# Altium PCB RemoteCtrl-V2.PcbDoc (part 3 of 4)
Units mil, origin at the board's own origin, x right, y up, seen from the top; angles counter-clockwise.
Board outline 3937.01 x 3700.79 mil, 2 copper layers (Top Layer, Bottom Layer); 118 components, 110 nets, 611 pads, 205 vias.
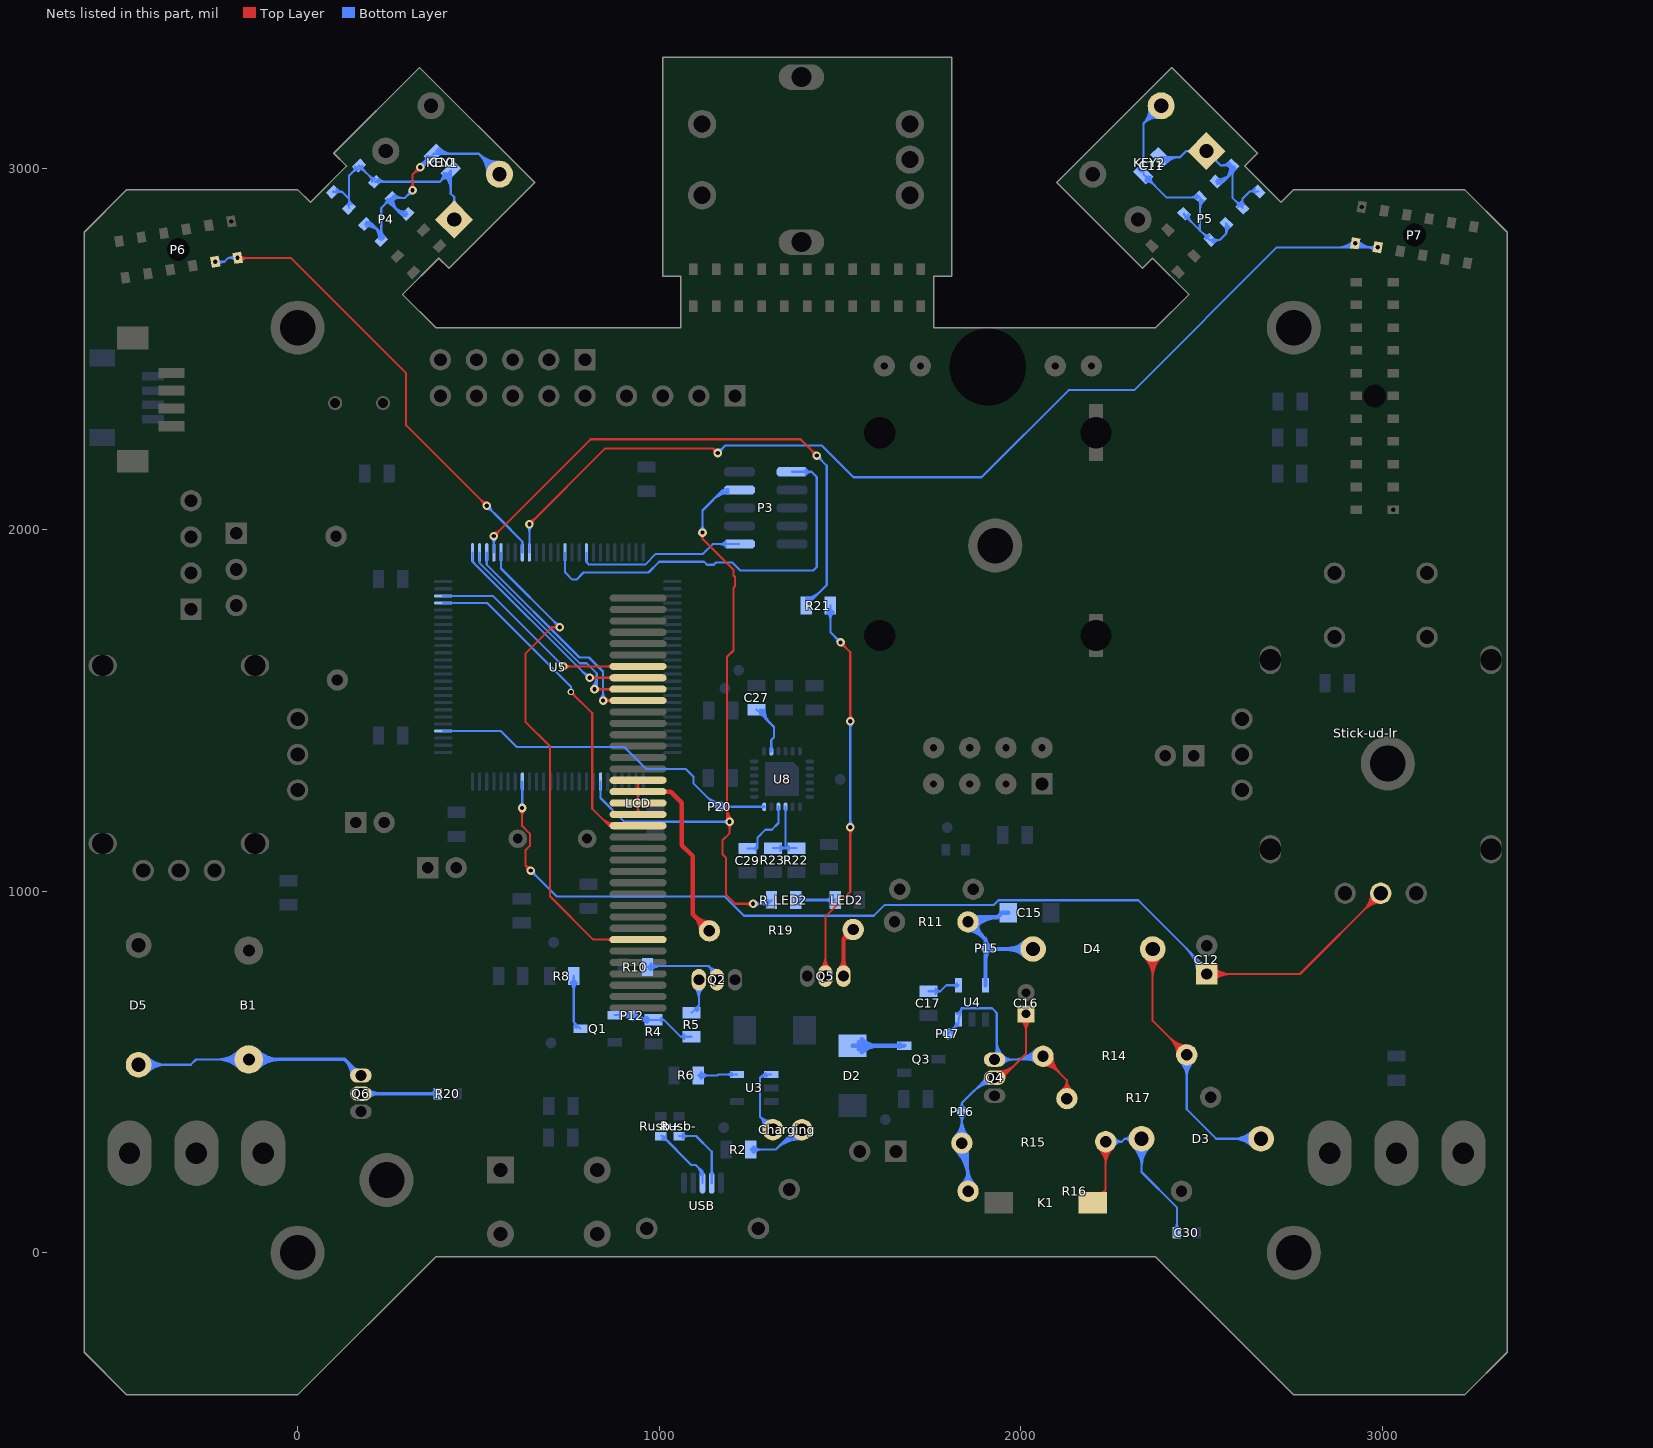
[diagram p3: the nets of this part, all layers, seen from the top]

## Via types
v1: diameter 23.62, hole 11.81, Top Layer to Bottom Layer, 200 vias
v2: diameter 17.72, hole 11.81, Top Layer to Bottom Layer, 3 vias
v3: diameter 17, hole 17, Top Layer to Bottom Layer, tented both sides, 2 vias

## Nets (pads, with @x,y where several pads share a name; then routed paths per layer and width w, separated by ;. In a path a pad name is that pad's centre, name@x,y a point inside that pad or via, vN(x,y) a via of type N, cw(c..) or ccw(c..) an arc to the next point about the centre after c; other vN are vias at no path point) (continued)
KEY1: P6.2 P6.4 U5.58 | length 1589.5
  Top Layer w6: v1(-166.03,2751.94) -18.7,2751.94 300.2,2433.05 300.2,2288.86 v1(523.06,2066) ; P6.2@-163.35,2746.08 cw(c-149.19,2731.92) -149.19,2751.94 ; P6.2@-159.79,2745.71 cw(c-144.75,2730.67) -144.75,2751.94 cw(c-144.75,2773.21) P6.2@-159.79,2758.17 ; P6.2@-159.11,2741.84 cw(c-134.71,2717.43) -134.71,2751.94 ; P6.2@-159.11,2754.3 ccw(c-153.43,2759.98) -153.43,2751.94 ; v1@514.24,2066 ccw(c492.97,2066) 508.01,2081.04 ccw(c523.06,2096.08) v1@523.06,2074.81
  Bottom Layer w6: v1(-228.06,2741.01) -202.8,2741.01 ; P6.4@-225.08,2735.5 cw(c-214.42,2727.93) -214.42,2741.01 ; P6.4@-221.83,2734.77 cw(c-206.79,2719.73) -206.79,2741.01 cw(c-206.79,2762.28) P6.4@-221.83,2747.24 ; P6.4@-221.15,2743.36 ccw(c-215.47,2749.04) -215.47,2741.01 ; P6.4@-220.19,2732.03 cw(c-202.8,2719.68) -202.8,2741.01 ; -179.97,2751.94 ccw(c-179.97,2765.62) P6.2@-168.97,2757.49 ; -178.62,2751.94 cw(c-178.62,2743.91) P6.2@-172.94,2749.59 ; P6.2@-173.79,2761.06 cw(c-191.86,2774.41) -191.86,2751.94 ; P6.2@-172.26,2745.71 ccw(c-187.3,2730.67) -187.3,2751.94 ccw(c-187.3,2773.21) P6.2@-172.26,2758.17 ; v1(-166.03,2751.94) -191.87,2751.94 ; v1@523.06,2057.19 cw(c523.06,2035.92) 538.1,2050.96 cw(c553.14,2066) v1@531.87,2066 ; v1(523.06,2066) 561.2,2027.86 621.57,1967.48 U5.58@621.57,1936.94 ; -202.8,2741.01 -191.87,2751.94
KEY2: P7.2 P7.4 U5.59 | length 3534.4
  Top Layer w6: v1(641.26,2015.11) 851.01,2224.86 1149.38,2224.86 ; v1@641.26,2023.92 ccw(c641.26,2045.19) 656.3,2030.15 ccw(c671.34,2015.11) v1@650.07,2015.11 ; v1@1153.45,2213.1 ccw(c1139.33,2214.8) 1149.39,2224.86 ; v1@1161.14,2220.79 cw(c1159.44,2234.92) 1149.39,2224.86 ; v1(1162.2,2212.05) 1149.38,2224.86
  Bottom Layer w6: v1@635.03,2008.88 cw(c619.99,1993.84) 641.26,1993.84 cw(c662.53,1993.84) v1@647.49,2008.88 ; U5.59@641.26,1936.94 v1(641.26,2015.11) ; v1(1162.2,2212.05) 1183.15,2233 1450,2233 1538,2145 1892,2145 2133,2386 2314,2386 2709.01,2781.01 v1(2988.06,2781) ; v1@1162.2,2220.86 ccw(c1162.2,2242.13) 1177.24,2227.09 ccw(c1192.28,2212.05) v1@1171.01,2212.05 ; 2878.35,2781.01 ccw(c2878.35,2839.62) P7.2@2919.79,2798.17 ; 2887.02,2781.01 ccw(c2887.02,2826.38) P7.2@2919.11,2794.3 ; 2892.83,2781.01 ccw(c2892.83,2825.13) P7.2@2924.04,2793.93 ; 2901.51,2781.01 ccw(c2901.51,2811.9) P7.2@2923.35,2790.05 ; 2901.52,2784.14 cw(c2911.72,2766.46) P7.2@2921.71,2784.26 ; 2907.32,2781.01 ccw(c2907.32,2810.65) P7.2@2928.28,2789.69 ; 2910.64,2789.41 cw(c2917.72,2777.15) P7.2@2924.65,2789.49 ; P7.2@2917.34,2793.43 cw(c2901.13,2796.21) 2909.36,2781.97 cw(c2918.16,2766.73) P7.2@2923.4,2783.53 ; P7.2@2927.87,2789.82 cw(c2936.49,2779.91) 2943.54,2790.99 ; P7.2@2929.79,2783.98 cw(c2937.46,2767.75) 2946.44,2783.29 ; P7.2@2931.81,2785.29 cw(c2941.99,2773.59) 2950.32,2786.68 ; P7.2@2934.54,2794.22 ccw(c2946.13,2797.33) 2940.13,2786.94 ; 2956.74,2781.01 cw(c2956.74,2746.49) P7.4@2981.15,2770.9 ; 2971.23,2781.01 cw(c2971.23,2760.98) P7.4@2985.39,2775.14 ; 2975.47,2781.01 ccw(c2975.47,2789.04) P7.4@2981.15,2783.36 ; P7.4@2981.83,2774.77 ccw(c2966.79,2759.73) 2966.79,2781.01 ccw(c2966.79,2802.27) P7.4@2981.83,2787.23 ; P7.2@2923.77,2789.69 ccw(c2944.73,2810.65) 2944.73,2781.01 cw(c2944.73,2810.65) P7.2@2923.77,2789.69 ; P7.2@2928.01,2793.93 ccw(c2959.22,2825.13) 2959.22,2781.01 cw(c2959.22,2825.13) P7.2@2928.01,2793.93 ; P7.2@2932.26,2798.17 ccw(c2973.7,2839.62) 2973.7,2781.01 cw(c2973.7,2839.62) P7.2@2932.26,2798.17
  other v1: 2926.02,2791.94
LCD_C\S\: LCD.7 U5.48 | length 712.3
  Top Layer w6: v1(734.69,1621.69) LCD.7@941.77,1621.69 ; v1@740.92,1615.46 cw(c755.96,1600.42) 755.96,1621.69 cw(c755.96,1642.96) v1@740.92,1627.92 ; LCD.7@868.03,1616.85 ccw(c856.35,1605.17) 856.35,1621.69 ccw(c856.35,1638.21) LCD.7@868.03,1626.53
  Bottom Layer w6: U5.48@403.06,1816.85 539.54,1816.85 v1(734.69,1621.69) ; v1@725.88,1621.69 ccw(c704.61,1621.69) 719.65,1636.73 ccw(c734.69,1651.78) v1@734.69,1630.5
LCD_FMARK: LCD.21 U5.47 | length 1068.1
  Top Layer w6: v2@756,1545.14 cw(c756,1531) 766,1541 cw(c776,1551) v2@761.86,1551 ; v2(756,1551) 815,1492 815,1227.94 862.2,1180.75 ; 842.97,1199.98 ccw(c872.87,1229.88) LCD.21@872.87,1187.59 ; 853.21,1189.73 ccw(c872.87,1209.4) LCD.21@872.87,1181.59 ; LCD.21@866.66,1177.89 ccw(c862.2,1175.84) 862.2,1180.75 ; LCD.21@866.66,1183.61 cw(c862.2,1185.65) 862.2,1180.75 ; LCD.21@941.77,1180.75 862.2,1180.75
  Bottom Layer w6: U5.47@403.06,1797.16 524.71,1797.17 716,1605.87 756,1565.87 v2(756,1551) ; v2@751.86,1555.14 ccw(c741.86,1565.14) 756,1565.14 ccw(c770.14,1565.14) v2@760.14,1555.14
LCD_LIGHT: R21.1 U5.54 | length 1732.8
  Top Layer w6: v1(542.83,1982.17) 810.67,2250 1391,2250 v1(1436,2205) ; v1@542.83,1990.98 ccw(c542.83,2012.25) 557.88,1997.21 ccw(c572.92,1982.17) v1@551.65,1982.17 ; v1@1427.19,2205 ccw(c1405.92,2205) 1420.96,2220.04 ccw(c1436,2235.08) v1@1436,2213.81
  Bottom Layer w6: v1@536.6,1975.93 cw(c521.56,1960.89) 542.83,1960.89 cw(c564.11,1960.89) v1@549.07,1975.93 ; U5.54@542.83,1936.94 v1(542.83,1982.17) ; R21.1@1407,1790 1464,1847 1464,2177 v1(1436,2205) ; R21.1@1407,1800 ccw(c1407,1824.14) 1424.07,1807.07 ; R21.1@1407,1806 ccw(c1407,1844.63) 1434.31,1817.31 ; R21.1@1407,1812 ccw(c1407,1865.11) 1444.56,1827.56 ; R21.1@1419.75,1799.25 cw(c1428.19,1799.25) R21.1@1422.22,1805.22 ; v1@1444.81,2205 ccw(c1466.08,2205) 1451.04,2189.96
LCD_R\D\: LCD.10 U5.53 | length 831.2
  Top Layer w6: v1(845,1527.21) LCD.10@941.77,1527.21 ; v1@851.23,1520.97 cw(c866.27,1505.93) 866.27,1527.21 cw(c866.27,1548.48) v1@851.23,1533.44 ; v1@852.63,1522.8 cw(c862.36,1517.18) 859.45,1528.04 ; v1@852.63,1531.61 ccw(c862.36,1537.23) 859.45,1526.37 ; v1@852.87,1523.25 cw(c858.16,1520.59) 859.7,1526.31 ; v1@852.87,1531.16 ccw(c858.16,1533.82) 859.7,1528.1 ; LCD.10@868.03,1522.37 ccw(c856.35,1510.69) 856.35,1527.21 ccw(c856.35,1543.72) LCD.10@868.03,1532.04
  Bottom Layer w6: U5.53@523.15,1936.94 523.15,1903.35 780,1646.5 ; 745,1681.5 780,1646.5 ; v1@838.77,1533.44 ccw(c823.73,1548.48) 845,1548.48 ccw(c866.27,1548.48) v1@851.23,1533.44 ; v1(845,1527.21) 845,1607.61 806.1,1646.5 780,1646.5
LCD_R\S\T\: LCD.31 U5.55 | length 1485.1
  Top Layer w6: v1@718.77,1723.77 ccw(c703.73,1708.73) 703.73,1730 ccw(c703.73,1751.27) v1@718.77,1736.23 ; v1(725,1730) 703,1730 630,1657 630,1468.65 698,1400.65 698,985.79 818,865.79 LCD.31@941.77,865.79 ; LCD.31@868.03,860.95 ccw(c856.35,849.27) 856.35,865.79 ccw(c856.35,882.31) LCD.31@868.03,870.63
  Bottom Layer w6: U5.55@562.52,1936.94 562.52,1892.48 v1(725,1730) ; v1@716.19,1730 ccw(c694.92,1730) 709.96,1745.04 ccw(c725,1760.08) v1@725,1738.81
LCD_RS: LCD.8 U5.51 | length 719.5
  Top Layer w6: v1(807.8,1590.2) LCD.8@941.77,1590.2 ; v1@814.03,1583.97 cw(c829.07,1568.93) 829.07,1590.2 cw(c829.07,1611.47) v1@814.03,1596.43 ; LCD.8@868.03,1585.36 ccw(c856.35,1573.68) 856.35,1590.2 ccw(c856.35,1606.72) LCD.8@868.03,1595.04
  Bottom Layer w6: U5.51@483.78,1936.94 483.78,1911.61 805.19,1590.2 v1(807.8,1590.2) ; U5.51@485.11,1915.68 ccw(c498.14,1915.68) 488.93,1906.47 ; 788.31,1607.08 ccw(c807.8,1626.58) v1@807.8,1599.01 ; 794.61,1600.79 cw(c784.02,1590.2) v1@798.99,1590.2
LCD_W\R\: LCD.9 U5.52 | length 762
  Top Layer w6: v1(821.3,1558.7) LCD.9@941.77,1558.7 ; v1@827.53,1552.47 cw(c842.57,1537.43) 842.57,1558.7 cw(c842.57,1579.97) v1@827.53,1564.93 ; LCD.9@868.03,1553.86 ccw(c856.35,1542.18) 856.35,1558.7 ccw(c856.35,1575.22) LCD.9@868.03,1563.54
  Bottom Layer w6: U5.52@503.46,1936.94 503.46,1907.48 780.44,1630.5 799.5,1630.5 827.61,1602.39 827.61,1565.02 v1(821.3,1558.7) ; v1@815.07,1564.93 ccw(c784.78,1595.22) 827.61,1595.22 ; v1@819.31,1560.69 ccw(c799.27,1580.73) 827.61,1580.73
LED2: P3.4 R_LED2.2 U5.7 | length 2192.9
  Top Layer w6: v1@1114.92,1984.8 cw(c1108.01,1975) 1120,1975 ; v1(1120,1992) 1120,1975 ; v1@1125.08,1984.8 ccw(c1131.99,1975) 1120,1975 ; 1188,1215.69 ccw(c1218.69,1215.69) v1@1196.99,1193.99 ; 1188,1230.17 ccw(c1233.17,1230.17) v1@1201.23,1198.23 ; v1@1188.77,1185.77 cw(c1173.73,1170.73) 1195,1170.73 cw(c1216.27,1170.73) v1@1201.23,1185.77 ; v1@1253.77,958.77 ccw(c1238.73,943.73) 1238.73,965 ccw(c1238.73,986.27) v1@1253.77,971.23 ; v1(1260,965) 1210,965 1185,990 1185,1091.98 1175.19,1101.79 1175.19,1140.73 1195,1160.54 v1(1195,1192) 1188,1199 1188,1648 1205.81,1665.81 1205.81,1839.24 1210.03,1843.46 1210.03,1868.98 1205.81,1873.2 1205.81,1889.19 1120,1975
  Bottom Layer w6: U5.7@838.11,1303.06 838.11,1257.65 903.76,1192 v1(1195,1192) ; v1@1113.77,1998.23 ccw(c1098.73,2013.27) 1120,2013.27 ccw(c1141.27,2013.27) v1@1126.23,1998.23 ; v1(1120,1992) 1120,2053 1177,2110 ; 1149.92,2082.92 cw(c1191.65,2041.18) P3.4@1191.65,2100.2 ; 1160.16,2093.16 cw(c1191.65,2061.67) P3.4@1191.65,2106.2 ; 1170.4,2103.4 cw(c1191.65,2082.15) P3.4@1191.65,2112.2 ; v1@1188.77,1185.77 ccw(c1173.73,1170.73) 1173.73,1192 ccw(c1173.73,1213.27) v1@1188.77,1198.23 ; v1(1260,965) 1301.07,965 R_LED2.2@1311.07,975 ; v1@1266.23,958.77 cw(c1281.27,943.73) 1281.27,965 cw(c1281.27,986.27) v1@1266.23,971.23 ; 1278.49,965 ccw(c1278.49,998.33) R_LED2.2@1302.06,974.76 ; 1282.1,965 cw(c1282.1,936.77) R_LED2.2@1302.06,956.73 ; 1292.98,965 ccw(c1292.98,983.84) R_LED2.2@1306.3,970.52
LR_ADC: C12.A Stick-ud-lr.2 U5.18 | length 3755.1
  Top Layer w6: v1@614.77,1223.77 cw(c599.73,1208.73) 621,1208.73 cw(c642.27,1208.73) v1@627.23,1223.77 ; v1(621,1230) 621,1180.44 642.53,1158.91 642.53,1125.54 630.19,1113.21 630.19,1071.81 ; v1@636.19,1057.1 ccw(c615.7,1057.32) 630.19,1071.81 ; v1@644.9,1065.81 cw(c644.68,1086.3) 630.19,1071.81 ; v1(645,1057) 630.19,1071.81 ; C12.A@2515,770.63 2772.79,770.63 Stick-ud-lr.2@2996.21,994.05 ; C12.A@2525.27,760.36 cw(c2550.07,735.56) 2550.07,770.63 cw(c2550.07,805.7) C12.A@2525.27,780.9 ; C12.A@2529.52,756.11 cw(c2564.56,721.07) 2564.56,770.63 cw(c2564.56,820.19) C12.A@2529.52,785.14 ; C12.A@2533.76,751.87 cw(c2579.04,706.59) 2579.04,770.63 cw(c2579.04,834.67) C12.A@2533.76,789.39 ; Stick-ud-lr.2@2969.69,994.05 cw(c2905.64,994.05) 2950.93,948.77 cw(c2996.21,903.48) Stick-ud-lr.2@2996.21,967.53 ; Stick-ud-lr.2@2975.69,994.05 cw(c2926.13,994.05) 2961.17,959.01 cw(c2996.21,923.97) Stick-ud-lr.2@2996.21,973.53 ; Stick-ud-lr.2@2981.69,994.05 cw(c2946.61,994.05) 2971.41,969.25 cw(c2996.21,944.45) Stick-ud-lr.2@2996.21,979.53
  Bottom Layer w6: v1@614.77,1236.23 ccw(c598.34,1252.66) 621.57,1252.66 ; v1(621,1230) 621.57,1230.57 U5.18@621.57,1303.06 ; 621.57,1249.88 ccw(c640.88,1249.88) v1@627.23,1236.23 ; v1@645,1048.19 cw(c645,1026.92) 660.04,1041.96 cw(c675.08,1057) v1@653.81,1057 ; v1(645,1057) 717,985 1182,985 1235,932 1594,932 1624,962 1926.43,962 1939.01,974.57 2325.43,974.57 C12.A@2515,785 ; 2459.55,840.45 cw(c2389.74,770.63) C12.A@2488.47,770.63 ; 2469.8,830.2 cw(c2410.22,770.63) C12.A@2494.47,770.63 ; 2480.04,819.96 cw(c2430.71,770.63) C12.A@2500.47,770.63 ; 2490.28,809.72 cw(c2451.19,770.63) C12.A@2506.47,770.63 ; 2494.25,805.75 ccw(c2515,826.51) C12.A@2515,797.16 ; C12.A@2500.52,799.48 cw(c2471.68,770.63) C12.A@2512.47,770.63
MPU_IRQ: P20.1 U5.29 U8.12 | length 1145.1
  Bottom Layer w6: U5.29@403.06,1442.84 562.35,1442.84 606.62,1398.56 903.89,1398.56 964.45,1338 1074.02,1338 1094.81,1317.21 1094.81,1298.21 1159.79,1233.23 U8.12@1290.79,1233.23 ; 1132.18,1260.84 ccw(c1168,1296.66) P20.1@1168,1246 ; 1142.42,1250.59 ccw(c1168,1276.17) P20.1@1168,1240 ; 1152.66,1240.35 ccw(c1168,1255.69) P20.1@1168,1234 ; 1153.87,1239.15 cw(c1148.72,1234) P20.1@1156,1234 ; P20.1@1172.24,1238.24 ccw(c1184.35,1250.35) 1184.35,1233.23 ; P20.1@1176.49,1225.51 cw(c1195.11,1206.89) 1195.11,1233.23 ; P20.1@1176.49,1242.49 ccw(c1198.83,1264.83) 1198.83,1233.23 ; U8.12@1289.01,1231.45 ccw(c1284.72,1227.17) 1284.72,1233.23 ccw(c1284.72,1239.29) U8.12@1289.01,1235.01
NetB1_1: B1.1 D5.A Q6.3 | length 1663.5
  Bottom Layer w6: D5.A@-440,519.65 -295.8,519.65 -281.04,534.41 B1.1@-135,534.41 ; D5.A@-425.55,505.2 cw(c-390.67,470.32) -390.67,519.65 cw(c-390.67,568.97) D5.A@-425.55,534.09 ; D5.A@-421.31,500.95 cw(c-376.19,455.83) -376.19,519.65 cw(c-376.19,583.46) D5.A@-421.31,538.34 ; D5.A@-417.07,496.71 cw(c-361.7,441.35) -361.7,519.65 cw(c-361.7,597.95) D5.A@-417.07,542.58 ; B1.1@-160.72,508.69 ccw(c-222.8,446.61) -222.8,534.41 ccw(c-222.81,622.22) B1.1@-160.72,560.13 ; B1.1@-156.47,512.94 ccw(c-208.32,461.09) -208.32,534.41 ccw(c-208.32,607.73) B1.1@-156.47,555.88 ; B1.1@-152.23,517.18 ccw(c-193.83,475.58) -193.83,534.41 ccw(c-193.84,593.25) B1.1@-152.23,551.64 ; B1.1@-147.99,521.42 ccw(c-179.35,490.06) -179.35,534.41 ccw(c-179.35,578.76) B1.1@-147.99,547.4
  Bottom Layer w10: B1.1@-135,534.41 130.59,534.41 Q6.3@175,490 ; B1.1@-117.77,517.18 cw(c-76.17,475.58) -76.17,534.41 cw(c-76.16,593.25) B1.1@-117.77,551.64 ; B1.1@-110.7,510.11 cw(c-52.03,451.44) -52.03,534.41 cw(c-52.02,617.39) B1.1@-110.7,558.71 ; 132.32,532.68 cw(c89.65,490) Q6.3@150,490 ; 149.39,515.61 cw(c123.79,490) Q6.3@160,490 ; 156.47,508.53 ccw(c165,517.07) Q6.3@165,505
NetC10_1: C10.1 KEY1.2 P4.6 P4.8 | length 1907.3
  Top Layer w6: v1@311.77,2945.23 ccw(c296.73,2960.27) 318,2960.27 ccw(c339.27,2960.27) v1@324.23,2945.23 ; v1(318,2939) 318,2981.65 v1(339,3002.65) ; v1@330.19,3002.65 cw(c308.92,3002.65) 323.96,2987.61 cw(c339,2972.57) v1@339,2993.84
  Bottom Layer w6: P4.6@186.73,2845.47 206.2,2845.47 231.27,2820.39 ; P4.6@189.51,2839.44 cw(c189.51,2784.62) 228.28,2823.38 ; P4.6@189.51,2845.44 cw(c189.51,2805.1) 218.04,2833.63 ; P4.6@189.51,2851.44 cw(c189.51,2825.59) 207.79,2843.87 ; 209.19,2842.48 cw(c170.42,2803.71) P4.8@225.25,2803.71 ; 219.43,2832.23 cw(c190.91,2803.71) P4.8@231.25,2803.71 ; P4.8@227.83,2809.94 ccw(c219.51,2818.26) 231.27,2818.26 ; 229.67,2821.99 cw(c211.39,2803.71) P4.8@237.25,2803.71 ; P4.8@231.27,2800.93 231.27,2820.39 ; 231.27,2831.7 ccw(c262.05,2831.7) P4.8@240.29,2809.94 ; P4.6@247.52,2915.07 cw(c226.24,2915.07) 241.29,2900.02 cw(c256.33,2884.99) P4.6@256.33,2906.25 ; P4.6@253.14,2915.07 ccw(c277.39,2915.07) 260.24,2897.92 ; P4.6@259.14,2915.07 ccw(c297.87,2915.07) 270.48,2887.68 ; 263.24,2894.92 ccw(c300.87,2932.55) P4.8@300.87,2879.33 ; P4.6@263.88,2922.62 ccw(c275.4,2934.14) P4.6@275.4,2917.85 ; P4.6@265.14,2915.07 ccw(c318.36,2915.07) 280.73,2877.43 ; P4.6@268.13,2914.4 cw(c276.45,2906.08) 276.45,2917.85 ; P4.6@268.13,2926.86 ccw(c289.89,2948.63) 289.89,2917.85 ; 273.48,2884.68 ccw(c300.87,2912.07) P4.8@300.87,2873.33 ; 283.72,2874.44 ccw(c300.87,2891.58) P4.8@300.87,2867.33 ; P4.8@303.65,2873.31 284.85,2873.31 259.11,2899.05 P4.6@259.11,2917.85 ; v1@309.19,2939 cw(c287.92,2939) 302.96,2923.96 cw(c318,2908.92) v1@318,2930.19 ; v1(318,2939) 296.85,2917.85 P4.6@259.11,2917.85 ; v1@336.72,3011.16 ccw(c328.28,3042.64) C10.1@356.51,3026.34 ; v1@338.27,3005.36 ccw(c333.59,3022.85) 349.27,3013.8 ; v1(339,3002.65) C10.1@376.36,3040.01 501.64,3040.01 ; v1@339,3011.46 ccw(c339,3032.73) 354.04,3017.69 ccw(c369.08,3002.65) v1@347.81,3002.65 ; v1@341.28,3011.16 ccw(c343.86,3020.77) 348.83,3012.15 ; v1@341.72,3001.92 cw(c359.2,2997.23) 350.15,3012.92 ; v1@347.51,3000.37 cw(c378.99,2991.93) C10.1@362.7,3020.16 ; v1@347.51,3004.93 cw(c357.12,3007.5) 348.5,3012.48 ; C10.1@357.07,3033.47 cw(c326.3,3033.47) 348.06,3011.71 cw(c369.82,2989.94) C10.1@369.82,3020.72 ; C10.1@363.07,3033.47 cw(c346.78,3033.47) 358.3,3021.95 cw(c369.82,3010.43) C10.1@369.82,3026.72 ; C10.1@383.43,3047.08 ccw(c400.51,3064.15) 400.51,3040.01 ; C10.1@387.68,3051.32 ccw(c414.99,3078.64) 414.99,3040.01 ; C10.1@391.92,3037.54 cw(c397.89,3031.57) C10.1@397.89,3040.01 ; C10.1@391.92,3055.57 ccw(c429.48,3093.12) 429.48,3040.01 ; KEY1.2@523.99,2984.12 ccw(c447.64,2986) 501.64,3040.01 ; KEY1.2@529.99,2983.97 ccw(c466.95,2985.53) 511.54,3030.11 ccw(c556.12,3074.7) KEY1.2@557.68,3011.66 ; KEY1.2@535.98,2983.82 ccw(c486.27,2985.05) 521.43,3020.22 ccw(c556.6,3055.38) KEY1.2@557.83,3005.67 ; KEY1.2@541.98,2983.68 ccw(c505.58,2984.57) 531.33,3010.32 ccw(c557.08,3036.07) KEY1.2@557.97,2999.67 ; KEY1.2@557.53,3017.66 cw(c555.65,3094.01) 501.64,3040.01 ; KEY1.2@558.38,2983.27 501.64,3040.01 ; 231.27,2820.39 231.27,2890.01 P4.6@259.11,2917.85
NetC10_2: C10.2 KEY1.1 P4.2 P4.4 | length 1170.5
  Bottom Layer w6: P4.2@97.65,2934.55 122.68,2934.55 ; P4.2@106.66,2931.11 cw(c114.98,2922.78) 114.98,2934.55 ; P4.2@107.65,2942.38 ccw(c122.68,2952.89) 122.68,2934.55 ; P4.4@138.74,2899.02 ccw(c130.42,2907.35) 142.19,2907.35 ; P4.4@142.19,2890.01 142.19,2915.05 ; P4.4@150.02,2900.02 cw(c160.53,2915.05) 142.19,2915.05 ; P4.2@158.43,3004.15 cw(c137.16,3004.15) 152.2,2989.11 cw(c167.24,2974.07) P4.2@167.24,2995.34 ; P4.2@170.03,2998.12 cw(c170.03,2976.85) 185.07,2991.89 cw(c200.11,3006.93) P4.2@178.84,3006.93 ; P4.4@205.76,2962.39 ccw(c184.49,2962.39) 199.53,2977.43 ccw(c214.57,2992.48) P4.4@214.57,2971.2 ; P4.4@219.34,2967.16 ccw(c230.86,2978.68) P4.4@230.86,2962.39 ; P4.4@223.58,2958.94 cw(c231.9,2950.62) 231.9,2962.39 ; P4.4@223.58,2971.41 ccw(c245.35,2993.17) 245.35,2962.39 ; C10.2@404.4,2986.14 cw(c373.62,2986.14) 395.38,2964.38 cw(c417.15,2942.62) C10.2@417.15,2973.4 ; C10.2@408.13,2977.13 cw(c370.58,2939.57) 423.69,2939.57 ; C10.2@410.4,2986.14 cw(c394.11,2986.14) 405.63,2974.62 cw(c417.15,2963.1) C10.2@417.15,2979.4 ; C10.2@412.38,2981.37 cw(c385.06,2954.06) 423.69,2954.06 ; KEY1.1@414.88,2887.17 ccw(c394.35,2920.04) 433.1,2920.04 ; C10.2@416.62,2985.61 cw(c399.55,2968.54) 423.69,2968.54 ; KEY1.1@418.06,2882.08 ccw(c401.11,2909.22) 433.1,2909.22 ccw(c465.1,2909.22) KEY1.1@448.15,2882.08 ; KEY1.1@421.24,2876.99 ccw(c407.87,2898.4) 433.1,2898.4 ccw(c458.34,2898.4) KEY1.1@444.97,2876.99 ; C10.2@423.69,2971.16 cw(c432.13,2971.16) C10.2@426.16,2977.13 ; KEY1.1@433.1,2858 433.1,2920.05 ; KEY1.1@451.33,2887.17 cw(c471.86,2920.04) 433.1,2920.04 ; 122.68,2934.55 142.19,2915.05 ; 142.19,2915.05 142.19,2979.1 P4.2@170.03,3006.93 P4.4@214.57,2962.39 393.39,2962.39 C10.2@423.69,2992.69 423.69,2929.46 433.1,2920.05
NetC11_1: C11.1 KEY2.2 P5.6 P5.8 | length 1318.5
  Bottom Layer w6: C11.1@2324.25,2998.47 ccw(c2286.69,3036.02) 2339.8,3036.02 ; C11.1@2328.49,2994.22 ccw(c2301.18,3021.54) 2339.8,3021.54 ; C11.1@2332.73,2989.98 ccw(c2315.66,3007.05) 2339.8,3007.05 ; C11.1@2339.8,3004.43 ccw(c2348.24,3004.43) C11.1@2342.28,2998.47 ; C11.1@2346.35,2963.62 cw(c2346.35,2932.84) 2368.11,2954.6 cw(c2389.87,2976.37) C11.1@2359.09,2976.37 ; C11.1@2346.35,2969.62 cw(c2346.35,2953.33) 2357.87,2964.85 cw(c2369.39,2976.37) C11.1@2353.09,2976.37 ; KEY2.2@2354.8,3167.96 cw(c2302.45,3160.86) 2339.81,3123.5 ; KEY2.2@2360.75,3168.76 cw(c2317.53,3162.9) 2348.37,3132.06 cw(c2379.21,3101.22) KEY2.2@2385.07,3144.44 ; KEY2.2@2366.69,3169.57 cw(c2332.6,3164.95) 2356.93,3140.62 cw(c2381.26,3116.29) KEY2.2@2385.88,3150.38 ; KEY2.2@2384.27,3138.49 ccw(c2377.16,3086.14) 2339.81,3123.5 ; KEY2.2@2388.89,3172.58 2339.8,3123.5 ; P5.8@2452.22,2874.01 2452.22,2872.05 2495.79,2828.49 ; P5.8@2455.01,2862.41 cw(c2455.01,2845.88) 2466.7,2857.57 ; P5.8@2463.82,2871.23 ccw(c2489.83,2871.23) 2471.44,2852.84 ; 2465.99,2918.55 ccw(c2465.99,2949.33) P5.6@2487.75,2927.57 ; 2479.43,2918.55 cw(c2479.43,2906.79) P5.6@2487.75,2915.11 ; P5.6@2480.47,2918.55 ccw(c2480.47,2934.85) P5.6@2491.99,2923.32 ; P5.6@2493.25,2909.61 cw(c2484.91,2901.45) 2496.58,2901.32 ; 2496.43,2887.74 cw(c2527.31,2887.4) P5.6@2505.71,2909.47 ; P5.6@2496.59,2902.22 cw(c2512.98,2902.04) P5.6@2501.52,2913.76 ; 2503.43,2820.84 ccw(c2521.82,2839.23) P5.8@2521.82,2813.22 ; 2508.17,2816.11 cw(c2496.48,2804.41) P5.8@2513.01,2804.41 ; P5.8@2529.57,2797.07 cw(c2539.13,2789.32) P5.8@2539.13,2801.63 ; P5.8@2533.62,2805.08 ccw(c2541.94,2813.4) 2541.94,2801.63 ; P5.8@2534.23,2793.29 cw(c2551.73,2779.1) 2551.73,2801.63 ; P5.6@2565.7,2837.16 cw(c2557.38,2828.84) 2569.15,2828.84 ; 2569.15,2818.89 cw(c2592.01,2818.89) P5.6@2577.52,2836.57 ; P5.6@2569.15,2831.57 cw(c2581.62,2831.57) P5.6@2573.71,2841.21 ; P5.6@2569.15,2846.17 2569.15,2819.05 2551.73,2801.63 ; 2339.8,3123.5 C11.1@2339.8,2982.91 2404.16,2918.55 P5.6@2496.77,2918.55 2495.79,2828.49 ; 2495.79,2828.49 2522.64,2801.63 P5.8@2524.61,2801.63 2551.73,2801.63
NetC11_2: C11.2 KEY2.1 P5.2 P5.4 | length 1108.3
  Bottom Layer w6: C11.2@2387.13,3030.24 2441.2,3030.24 2458.27,3047.31 ; C11.2@2394.2,3023.16 cw(c2411.27,3006.09) 2411.27,3030.24 ; C11.2@2398.44,3018.92 cw(c2425.76,2991.61) 2425.76,3030.24 ; C11.2@2402.69,3014.68 cw(c2440.24,2977.12) 2440.24,3030.24 ; C11.2@2402.69,3032.71 ccw(c2408.66,3038.68) C11.2@2408.66,3030.24 ; KEY2.1@2483.45,3031.81 ccw(c2458.27,3019.1) 2458.27,3047.31 ; KEY2.1@2483.45,3062.81 cw(c2458.27,3075.51) 2458.27,3047.31 ; KEY2.1@2488.81,3034.51 ccw(c2468.02,3024.02) 2468.02,3047.31 ccw(c2468.02,3070.59) KEY2.1@2488.81,3060.1 ; P5.4@2541.31,2963.09 2561.9,2963.1 ; P5.4@2544.09,2957.12 ccw(c2544.09,2985.69) 2564.29,2965.49 ; P5.4@2544.09,2963.12 ccw(c2544.09,3006.17) 2574.53,2975.73 ; P5.4@2544.09,2969.12 ccw(c2544.09,3026.66) 2584.78,2985.97 ; P5.4@2550.32,2966.54 ccw(c2558.64,2974.86) 2558.64,2963.1 ; P5.4@2552.15,2956.75 cw(c2561.9,2952.44) 2561.9,2963.1 ; 2555.08,3007.64 ccw(c2555.08,3038.41) P5.2@2576.84,3016.65 ; 2562.97,2964.17 ccw(c2522.29,3004.85) P5.2@2579.82,3004.85 ; 2568.51,3007.64 cw(c2568.51,2995.87) P5.2@2576.84,3004.19 ; P5.2@2569.56,3007.64 ccw(c2569.56,3023.93) P5.2@2581.08,3012.41 ; 2573.21,2974.41 ccw(c2542.77,3004.85) P5.2@2585.82,3004.85 ; P5.2@2582.4,2998.62 cw(c2574.08,2990.3) 2585.85,2990.3 ; 2583.46,2984.65 ccw(c2563.26,3004.85) P5.2@2591.82,3004.85 ; 2585.85,2976.86 cw(c2616.63,2976.86) P5.2@2594.86,2998.62 ; P5.4@2602.09,2893.5 ccw(c2580.82,2893.5) 2595.86,2908.54 ccw(c2610.91,2923.58) P5.4@2610.91,2902.31 ; P5.4@2606.05,2900.85 ccw(c2596.68,2915.05) 2613.69,2915.05 ; 2613.69,2908.05 ccw(c2625.46,2908.05) P5.4@2617.14,2899.73 ; 2640.9,2935.26 cw(c2640.9,2923.49) P5.2@2649.22,2931.81 ; P5.2@2648.09,2942.89 cw(c2633.9,2952.27) 2633.9,2935.26 ; P5.2@2658.23,2935.26 2633.9,2935.26 ; 2458.27,3047.31 KEY2.1@2514.16,3047.31 2553.83,3007.64 P5.2@2585.85,3007.64 2585.85,2987.05 ; 2561.9,2963.1 2585.85,2987.05 ; 2585.85,2987.05 2585.85,2918.55 P5.4@2613.69,2890.71 2613.69,2915.05 ; 2613.69,2915.05 2633.9,2935.26 ; 2585.85,2986.83 cw(c2596.84,2986.83) 2592.29,2996.83 ccw(c2596.84,2986.83) 2585.85,2986.83
NetC15_A: C15.A D4.A P15.1 R11.1 U4.5 | length 952.2
  Bottom Layer w12: R11.1@1854.14,915.31 cw(c1882.55,889.83) 1882.55,928 ; R11.1@1854.49,891.47 cw(c1854.49,834.67) 1894.65,874.84 cw(c1934.82,915) R11.1@1878.02,915 ; R11.1@1863.07,907.3 cw(c1909.44,865.71) 1909.44,928 ; R11.1@1872,899.29 cw(c1936.32,841.6) 1936.32,928 ; U4.5@1903,739.49 P15.1@1903,840 ; 1903,813.03 cw(c1934.97,813.03) 1912.36,835.64 cw(c1922.9,825.1) 1922.9,840 ; P15.1@1911.51,849.11 cw(c1924.98,866.49) 1903,866.49 ; P15.1@1912.36,848.36 ccw(c1932.56,868.56) 1932.56,840 ; C15.A@1965.94,940 1948.32,940 1936.32,928 1867.49,928 R11.1@1854.49,915 1903,866.49 ; D4.A@2013.83,819.19 ccw(c1963.59,768.94) 1963.59,840 ccw(c1963.59,911.06) D4.A@2013.83,860.81 ; D4.A@2022.32,827.67 ccw(c1992.56,797.91) 1992.56,840 ccw(c1992.56,882.09) D4.A@2022.32,852.33 ; D4.A@2034.64,840 P15.1@1903,840 ; P15.1@1903,840 1903,866.49
NetC16_A: C16.A P16.1 Q4.2 R15.1 R16.2 | length 1960.7
  Top Layer w6: Q4.2@1928.23,484.1 1949.1,484.1 2015,550 C16.A@2015,660.47 ; Q4.2@1938.23,489.1 ccw(c1938.23,527.4) 1965.31,500.31 ; Q4.2@1938.23,495.1 ccw(c1938.23,547.89) 1975.56,510.56 ; Q4.2@1938.23,501.1 ccw(c1938.23,568.37) 1985.8,520.8 ; Q4.2@1955.23,484.1 cw(c1970.04,484.1) 1959.57,494.57 ; C16.A@2000.42,645.89 cw(c1965.21,610.68) 2015,610.68 cw(c2064.78,610.69) C16.A@2029.58,645.89 ; C16.A@2004.66,650.13 cw(c1979.7,625.17) 2015,625.17 ; 2015,625.17 cw(c2050.3,625.17) C16.A@2025.34,650.13
  Bottom Layer w6: R15.1@1818.92,284.24 cw(c1732.48,197.79) R16.2@1854.72,197.79 ; R15.1@1818.92,321.75 ccw(c1773.63,367.04) 1837.68,367.04 ccw(c1901.72,367.04) R15.1@1856.43,321.75 ; R15.1@1823.16,288.48 cw(c1746.96,212.28) 1854.72,212.28 ; R15.1@1823.16,317.51 ccw(c1788.12,352.55) 1837.68,352.55 ccw(c1887.23,352.55) R15.1@1852.19,317.51 ; R15.1@1827.4,292.72 cw(c1761.45,226.76) 1854.72,226.76 ; R15.1@1827.4,313.27 ccw(c1802.6,338.07) 1837.68,338.07 ccw(c1872.75,338.07) R15.1@1847.95,313.27 ; P16.1@1829.51,381.51 cw(c1809.81,361.81) 1837.68,361.81 ; P16.1@1830.7,399.52 ccw(c1819.84,413.68) 1837.68,413.68 ; R15.1@1831.65,296.96 cw(c1775.93,241.25) 1854.72,241.25 ; R15.1@1835.89,301.21 cw(c1790.42,255.73) 1854.72,255.73 ; R16.2@1835.97,188.76 ccw(c1790.68,234.04) 1854.72,234.04 ccw(c1918.77,234.04) R16.2@1873.48,188.76 ; 1837.68,360.25 cw(c1867.75,360.25) P16.1@1846.49,381.51 ; 1837.68,374.73 cw(c1853.27,374.73) P16.1@1842.24,385.76 ; R15.1@1840.13,305.45 cw(c1804.9,270.22) 1854.72,270.22 ; R16.2@1840.21,184.52 ccw(c1805.17,219.56) 1854.72,219.56 ccw(c1904.28,219.56) R16.2@1869.24,184.52 ; R16.2@1844.45,180.27 ccw(c1819.65,205.07) 1854.72,205.07 ; P16.1@1844.88,399.83 cw(c1854.58,413.68) 1837.68,413.68 ; R16.2@1854.72,170 1854.72,285.95 R15.1@1837.68,302.99 1837.68,413.68 ; 1854.72,205.07 ccw(c1889.8,205.07) R16.2@1865,180.27 ; 1871.91,447.91 cw(c1918.23,401.59) Q4.2@1918.23,467.1 ; 1882.15,458.15 cw(c1918.23,422.07) Q4.2@1918.23,473.1 ; 1892.39,468.39 cw(c1918.23,442.56) Q4.2@1918.23,479.1 ; 1896.37,472.37 ccw(c1884.65,484.1) Q4.2@1901.23,484.1 ; Q4.2@1928.23,484.1 1908.1,484.1 1837.68,413.68
NetC17_1: C17.1 U4.4 | length 147.5
  Bottom Layer w6: C17.1@1745,723 1778.2,723 ; C17.1@1764.83,715.88 cw(c1778.2,706.89) 1778.2,723 ; C17.1@1764.83,730.12 ccw(c1778.2,739.11) 1778.2,723 ; U4.4@1823.36,734.65 ccw(c1811.68,722.97) 1811.68,739.49 ccw(c1811.68,756.01) U4.4@1823.36,744.33 ; U4.4@1828.2,739.49 1794.69,739.49 1778.2,723
NetC27_1: C27.1 U8.20 | length 245.2
  Bottom Layer w6: C27.1@1270,1502 1317.81,1454.19 1317.81,1425.55 1310.47,1418.21 U8.20@1310.47,1386.77 ; C27.1@1279.25,1489.25 cw(c1279.25,1480.81) C27.1@1285.22,1486.78 ; C27.1@1280,1502 ccw(c1304.14,1502) 1287.07,1484.93 ; C27.1@1286,1502 ccw(c1324.63,1502) 1297.31,1474.69 ; C27.1@1292,1502 ccw(c1345.11,1502) 1307.56,1464.44 ; U8.20@1308.7,1394.85 ccw(c1304.41,1399.13) 1310.47,1399.13 ccw(c1316.54,1399.13) U8.20@1312.25,1394.85
NetC29_1: C29.1 U8.10 | length 201.7
  Bottom Layer w6: C29.1@1245,1118 1272.2,1118 ; C29.1@1266.29,1113.8 cw(c1272.2,1111.75) 1272.2,1118 ; C29.1@1266.29,1122.19 ccw(c1272.2,1124.25) 1272.2,1118 ; U8.10@1328.38,1225.15 cw(c1324.09,1220.87) 1330.16,1220.87 cw(c1336.22,1220.87) U8.10@1331.93,1225.15 ; U8.10@1330.16,1233.23 1330.16,1188.4 1311.55,1169.79 1293.94,1169.79 1272.2,1148.05 1272.2,1118
NetC30_2: C30.2 D3.A K1.1 R15.2 | length 1409.9
  Top Layer w6: K1.1@2199.96,137.64 2235.31,172.99 ; K1.1@2211.28,158.55 ccw(c2213.02,177.22) K1.1@2226.28,163.96 ; K1.1@2211.84,164.52 ccw(c2214.56,193.74) 2235.31,172.99 ; R15.2@2216.56,288.17 cw(c2171.27,242.89) 2235.31,242.89 cw(c2299.36,242.89) R15.2@2254.07,288.17 ; R15.2@2220.8,292.41 cw(c2185.76,257.37) 2235.31,257.37 cw(c2284.87,257.37) R15.2@2249.83,292.41 ; R15.2@2225.04,296.66 cw(c2200.24,271.86) 2235.31,271.86 cw(c2270.39,271.86) R15.2@2245.59,296.66 ; K1.1@2227.41,148.32 cw(c2241.01,156.35) K1.1@2229.84,167.52 ; K1.1@2232.58,151.37 cw(c2247.89,160.42) 2235.31,172.99 ; R15.2@2235.31,306.93 2235.31,172.99
  Bottom Layer w6: R15.2@2235.31,306.93 2280.2,306.93 ; R15.2@2253.3,297.03 cw(c2270.04,287.81) 2270.04,306.93 cw(c2270.04,326.04) R15.2@2253.3,316.83 ; R15.2@2258.55,294.14 cw(c2280.2,282.23) 2280.2,306.93 ; R15.2@2258.55,319.72 ccw(c2280.2,331.63) 2280.2,306.93 ; D3.A@2304.18,303.87 ccw(c2288.27,298.06) 2288.27,315 ; D3.A@2304.18,326.13 cw(c2288.27,331.94) 2288.27,315 ; D3.A@2309.82,305.93 ccw(c2296.85,301.19) 2296.85,315 ccw(c2296.85,328.81) D3.A@2309.82,324.07 ; D3.A@2311.71,292.07 cw(c2256.34,236.7) 2334.64,236.7 cw(c2412.94,236.7) D3.A@2357.58,292.07 ; D3.A@2315.95,296.31 cw(c2270.83,251.18) 2334.64,251.18 cw(c2398.46,251.18) D3.A@2353.34,296.31 ; D3.A@2320.2,300.55 cw(c2285.32,265.67) 2334.64,265.67 cw(c2383.97,265.67) D3.A@2349.09,300.55 ; C30.2@2426.21,65.17 ccw(c2411.17,80.21) 2432.44,80.21 ccw(c2453.71,80.21) C30.2@2438.67,65.17 ; C30.2@2432.44,55 2432.44,125.25 2334.64,223.05 D3.A@2334.64,315 2288.27,315 ; 2280.2,306.93 2288.27,315
NetD2_C: D2.C Q3.2 | length 313.2
  Bottom Layer w12: D2.C@1535,572 1677.15,572 Q3.2@1677.91,572.76 ; D2.C@1552.42,562.45 cw(c1575.46,539.41) 1575.46,572 cw(c1575.46,604.59) D2.C@1552.42,581.55 ; D2.C@1560.9,553.97 cw(c1604.43,510.44) 1604.43,572 cw(c1604.43,633.56) D2.C@1560.9,590.03 ; 1654.18,572 ccw(c1654.18,588.61) Q3.2@1665.93,576.86 ; 1657.83,572 cw(c1657.83,560.55) Q3.2@1665.93,568.65
NetD3_C: D3.C D4.C R14.1 | length 1790.5
  Top Layer w6: D4.C@2342.42,817.07 cw(c2287.05,761.7) 2365.35,761.7 cw(c2443.65,761.7) D4.C@2388.29,817.07 ; D4.C@2346.66,821.31 cw(c2301.54,776.18) 2365.35,776.18 cw(c2429.17,776.18) D4.C@2384.05,821.31 ; D4.C@2350.91,825.55 cw(c2316.03,790.67) 2365.35,790.67 cw(c2414.68,790.67) D4.C@2379.8,825.55 ; D4.C@2365.35,840 2365.35,641.46 R14.1@2459.72,547.09 ; R14.1@2433.2,547.09 ccw(c2369.15,547.09) 2414.44,592.37 ccw(c2459.72,637.66) R14.1@2459.72,573.61 ; R14.1@2439.2,547.09 ccw(c2389.64,547.09) 2424.68,582.13 ccw(c2459.72,617.17) R14.1@2459.72,567.61 ; R14.1@2445.2,547.09 ccw(c2410.12,547.09) 2434.92,571.89 ccw(c2459.72,596.69) R14.1@2459.72,561.61
  Bottom Layer w6: R14.1@2440.97,528.33 cw(c2395.68,483.04) 2459.72,483.04 cw(c2523.77,483.04) R14.1@2478.48,528.33 ; R14.1@2445.21,532.57 cw(c2410.17,497.53) 2459.72,497.53 cw(c2509.28,497.53) R14.1@2474.24,532.57 ; R14.1@2449.45,536.81 cw(c2424.65,512.01) 2459.72,512.01 cw(c2494.8,512.01) R14.1@2470,536.81 ; R14.1@2459.72,547.09 2459.72,396.52 2541.24,315 D3.C@2665.35,315 ; D3.C@2642.42,292.07 ccw(c2587.05,236.7) 2587.05,315 ccw(c2587.05,393.3) D3.C@2642.42,337.93 ; D3.C@2646.66,296.31 ccw(c2601.54,251.18) 2601.54,315 ccw(c2601.54,378.81) D3.C@2646.66,333.69 ; D3.C@2650.91,300.55 ccw(c2616.03,265.67) 2616.03,315 ccw(c2616.03,364.33) D3.C@2650.91,329.45
NetLCD_17: LCD.17 LCD.18 LCD.19 LCD.20 R19.2 | length 859.3
  Top Layer w6: LCD.20@936.93,1217.08 ccw(c925.25,1228.76) 941.77,1228.76 ccw(c958.29,1228.76) LCD.20@946.61,1217.08 ; LCD.19@936.93,1238.9 cw(c925.25,1227.22) 941.77,1227.22 cw(c958.29,1227.22) LCD.19@946.61,1238.9 ; LCD.19@936.93,1248.58 ccw(c925.25,1260.26) 941.77,1260.26 ccw(c958.29,1260.26) LCD.19@946.61,1248.58 ; LCD.18@936.93,1270.4 cw(c925.25,1258.72) 941.77,1258.72 cw(c958.29,1258.72) LCD.18@946.61,1270.4 ; LCD.18@936.93,1280.08 ccw(c925.25,1291.76) 941.77,1291.76 ccw(c958.29,1291.76) LCD.18@946.61,1280.08 ; LCD.17@936.93,1301.89 cw(c925.25,1290.21) 941.77,1290.21 cw(c958.29,1290.21) LCD.17@946.61,1301.89 ; LCD.20@941.77,1212.24 LCD.19@941.77,1243.74 LCD.18@941.77,1275.24 LCD.17@941.77,1306.73
  Top Layer w12: LCD.18@941.77,1275.24 1032.02,1275.24 1062.81,1244.45 1062.81,1127.19 1093,1097 1093,936.21 R19.2@1139.21,890 ; R19.2@1115.69,890 ccw(c1058.89,890) 1099.05,930.16 ccw(c1139.21,970.33) R19.2@1139.21,913.53
NetLED1_A: Charging.A R2.1 | length 547.1
  Bottom Layer w6: R2.1@1253,285 1322.15,285 ; R2.1@1257.77,280.23 cw(c1269.29,268.71) 1269.29,285 cw(c1269.29,301.29) R2.1@1257.77,289.77 ; R2.1@1262.01,275.99 cw(c1283.78,254.22) 1283.78,285 cw(c1283.78,315.78) R2.1@1262.01,294.01 ; 1331.95,294.8 cw(c1391.64,235.1) Charging.A@1394.34,319.48 ; 1341.74,304.6 cw(c1392.25,254.09) Charging.A@1394.54,325.48 ; 1351.54,314.39 cw(c1392.86,273.07) Charging.A@1394.73,331.48 ; 1361.34,324.19 cw(c1393.47,292.06) Charging.A@1394.92,337.47 ; 1362.34,325.19 ccw(c1347.53,340) Charging.A@1368.47,340 ; Charging.A@1394.15,313.49 ccw(c1391.04,216.12) 1322.15,285 ; Charging.A@1395,340 1377.15,340 1322.15,285
NetLED1_C: Charging.C U3.1 | length 360.2
  Bottom Layer w6: 1285.54,489.39 cw(c1294.8,480.12) U3.1@1299.83,492.22 ; Charging.C@1288.9,344.74 ccw(c1254.41,351.01) 1279.2,375.8 ; U3.1@1294.02,489.97 ccw(c1289.15,487.56) 1289.15,493 ; U3.1@1294.02,496.03 cw(c1289.15,498.43) 1289.15,493 ; Charging.C@1294.8,343.67 ccw(c1268.11,348.52) 1287.3,367.7 ccw(c1306.48,386.89) Charging.C@1311.33,360.2 ; U3.1@1297.53,486.68 ccw(c1291.08,471.17) 1279.2,483.05 ; U3.1@1310,493 1289.15,493 ; Charging.C@1310.26,366.1 cw(c1303.99,400.59) 1279.2,375.8 ; Charging.C@1315,340 1279.2,375.8 ; 1279.2,375.8 1279.2,483.05 ; 1279.2,483.05 1289.15,493
NetLED2_C: LED2.C R_LED2.1 | length 198.1
  Bottom Layer w8: R_LED2.1@1378,975 LED2.C@1487,975 ; R_LED2.1@1386.31,966.69 cw(c1406.37,946.63) 1406.37,975 cw(c1406.36,1003.36) R_LED2.1@1386.31,983.31 ; LED2.C@1478.69,966.69 ccw(c1458.64,946.64) 1458.64,975 ccw(c1458.64,1003.36) LED2.C@1478.69,983.31
NetP12_1: P12.1 Q1.1 R4.2 R5.1 | length 590.7
  Bottom Layer w6: Q1.1@877.09,657.25 924.2,657.25 937.51,643.93 R4.2@985,643.93 1013.2,643.93 ; Q1.1@891.19,651.01 cw(c906.23,635.97) 906.23,657.25 cw(c906.23,678.52) Q1.1@891.19,663.48 ; Q1.1@891.61,657.25 cw(c891.61,620.61) P12.1@917.51,646.51 ; 902.45,657.25 ccw(c902.45,678.55) P12.1@917.51,663.49 ; 906.09,657.25 cw(c906.09,635.09) 921.76,650.76 ccw(c938.24,667.24) 938.24,643.93 ; P12.1@926,655 ccw(c952.73,681.73) 952.73,643.93 ; P12.1@930.24,659.24 ccw(c967.21,696.21) R4.2@967.21,643.93 ; P12.1@934.49,663.49 ccw(c981.7,710.7) R4.2@981.7,643.93 ; R4.2@966.73,634.92 ccw(c944.97,613.15) 944.97,643.93 ccw(c944.97,674.71) R4.2@966.73,652.94 ; R4.2@970.98,639.16 ccw(c959.46,627.64) 959.46,643.93 ccw(c959.46,660.22) R4.2@970.98,648.7 ; R4.2@1006.06,639.13 cw(c1013.2,636.23) 1013.2,643.93 ; R4.2@1006.06,648.73 ccw(c1013.2,651.63) 1013.2,643.93 ; R5.1@1069.35,591.3 ccw(c1060.13,586.69) 1060.13,597 ; R5.1@1069.35,602.7 cw(c1060.13,607.3) 1060.13,597 ; R5.1@1090,597 1060.13,597 ; 1013.2,643.93 1060.13,597
NetP17_1: P17.1 Q4.3 R14.2 R17.1 U4.3 | length 1534.6
  Top Layer w6: R14.2@2062.09,516.62 cw(c2062.09,452.58) 2107.37,497.87 cw(c2152.66,543.15) R14.2@2088.61,543.15 ; R14.2@2062.09,522.62 cw(c2062.09,473.07) 2097.13,508.11 cw(c2132.17,543.15) R14.2@2082.61,543.15 ; R14.2@2062.09,528.62 cw(c2062.09,493.55) 2086.89,518.35 cw(c2111.69,543.15) R14.2@2076.61,543.15 ; R14.2@2062.09,543.15 2128.15,477.09 ; R17.1@2112.91,447.78 ccw(c2092.34,477.09) 2128.15,477.09 ; R17.1@2116.36,442.87 ccw(c2100.44,465.55) 2128.15,465.55 ccw(c2155.86,465.55) R17.1@2139.94,442.87 ; R17.1@2128.15,426.06 2128.15,477.09 ; R17.1@2143.39,447.78 cw(c2163.96,477.09) 2128.15,477.09
  Bottom Layer w6: P17.1@1799,605 1828.2,634.2 U4.3@1828.2,645 1837.2,676.05 1921.2,676.05 1934.2,663.05 Q4.3@1934.2,534.1 ; P17.1@1799,617 ccw(c1799,645.97) 1819.49,625.49 ccw(c1839.97,605) P17.1@1811,605 ; 1815.84,621.84 ccw(c1802.52,635.16) U4.3@1821.35,635.16 ; 1818.15,624.15 cw(c1828.2,614.11) U4.3@1828.2,628.31 ; U4.3@1824.9,660.84 ccw(c1812.42,683.5) 1837.27,676.3 ; U4.3@1833.59,663.59 ccw(c1840.47,661.6) U4.3@1834.19,658.14 ; Q4.3@1926.21,546.12 ccw(c1906.92,565.4) 1934.2,565.4 ; Q4.3@1928.23,534.1 Q4.3@1934.2,534.1 ; 1934.2,555.9 ccw(c1960.03,555.9) Q4.3@1941.76,537.63 ; 1934.2,570.39 ccw(c1974.52,570.39) 1946.01,541.87 ccw(c1964.79,560.65) 1964.79,534.1 ccw(c1964.79,507.54) Q4.3@1946.01,526.32 ; 1934.2,584.87 ccw(c1989,584.87) 1950.25,546.12 ccw(c1979.27,575.14) 1979.27,534.1 ccw(c1979.27,493.05) Q4.3@1950.25,522.07 ; 1976.18,534.1 ccw(c1976.18,629.06) R14.2@2043.33,561.91 ; 1990.67,534.1 ccw(c1990.67,614.57) R14.2@2047.57,557.67 ; 2005.15,534.1 ccw(c2005.15,600.09) R14.2@2051.81,553.42 ; 2019.64,534.1 ccw(c2019.64,585.6) R14.2@2056.06,549.18 ; 2019.91,534.1 cw(c2019.91,500.97) R14.2@2043.33,524.39 ; R14.2@2062.09,543.15 2035.56,543.15 2035.56,534.1 Q4.3@1934.2,534.1
NetQ1_3: Q1.3 R8.2 | length 254.3
  Bottom Layer w6: R8.2@754.91,746.73 cw(c733.15,724.97) 763.93,724.97 cw(c794.71,724.97) R8.2@772.94,746.73 ; R8.2@759.16,750.98 cw(c747.64,739.46) 763.93,739.46 cw(c780.22,739.46) R8.2@768.7,750.98 ; R8.2@763.93,765 763.93,638.07 ; Q1.3@766.39,623.62 ccw(c754.97,629.11) 763.93,638.07 ; 769.91,632.09 cw(c763.05,625.23) Q1.3@771.79,621.02 ; Q1.3@782.2,619.8 763.93,638.07
NetQ2_2: Q2.2 R10.1 | length 354.8
  Bottom Layer w6: R10.1@968,790 971,793 1137,793 ; R10.1@972.77,785.23 cw(c991.53,766.47) 991.53,793 cw(c991.54,813.54) R10.1@977.01,799.01 ; R10.1@977.01,780.99 cw(c1006.02,751.98) 1006.02,793 ; 1139.52,790.48 ccw(c1160,810.96) Q2.2@1160,782 ; Q2.2@1143.53,769.21 ccw(c1119.38,775.37) 1137,793 ; 1144.45,785.55 cw(c1131.25,772.34) Q2.2@1149.34,767.72 ; Q2.2@1160,755 1160,770 1137,793
NetQ2_3: Q2.3 R5.2 | length 237.5
  Bottom Layer w6: R5.2@1090,663.93 1110,683.93 ; Q2.3@1097.98,732.98 cw(c1068.96,703.96) 1110,703.96 cw(c1151.04,703.96) Q2.3@1122.02,732.98 ; R5.2@1099.25,676.68 ccw(c1099.25,685.12) 1105.22,679.15 ccw(c1111.11,673.25) R5.2@1104.56,668.1 ; Q2.3@1102.22,737.22 cw(c1083.44,718.44) 1110,718.44 cw(c1136.56,718.44) Q2.3@1117.78,737.22 ; R5.2@1109.28,671.81 cw(c1116.47,677.46) 1110,683.93 ; Q2.3@1110,755 1110,683.93
NetQ5_2: Q5.2 R21.2 | length 1457
  Top Layer w6: Q5.2@1447.98,787.02 ccw(c1418.96,816.04) 1460,816.04 ccw(c1501.04,816.04) Q5.2@1472.02,787.02 ; Q5.2@1452.22,782.78 ccw(c1433.44,801.56) 1460,801.56 ccw(c1486.56,801.56) Q5.2@1467.78,782.78 ; Q5.2@1460,765 1460,929 1529,998 v1(1529,1177) ; v1@1502,1679.19 cw(c1502,1657.92) 1517.04,1672.96 cw(c1532.08,1688) v1@1510.81,1688 ; v1(1502,1688) 1529,1661 v1(1529,1470) ; v1@1522.77,1170.77 cw(c1507.73,1155.73) 1529,1155.73 cw(c1550.27,1155.73) v1@1535.23,1170.77 ; v1@1522.77,1476.23 ccw(c1507.73,1491.27) 1529,1491.27 ccw(c1550.27,1491.27) v1@1535.23,1476.23
  Bottom Layer w6: R21.2@1464.92,1771.73 cw(c1443.15,1749.97) 1473.93,1749.97 cw(c1504.71,1749.97) R21.2@1482.94,1771.73 ; R21.2@1469.16,1775.98 cw(c1457.64,1764.46) 1473.93,1764.46 cw(c1490.22,1764.46) R21.2@1478.7,1775.98 ; R21.2@1473.93,1790 1473.93,1716.07 v1(1502,1688) ; v1@1493.19,1688 ccw(c1471.92,1688) 1486.96,1703.04 ccw(c1502,1718.08) v1@1502,1696.81 ; v1@1522.77,1183.23 ccw(c1507.73,1198.27) 1529,1198.27 ccw(c1550.27,1198.27) v1@1535.23,1183.23 ; v1@1522.77,1463.77 cw(c1507.73,1448.73) 1529,1448.73 cw(c1550.27,1448.73) v1@1535.23,1463.77 ; v1(1529,1177) v1(1529,1470)
NetQ5_3: Q5.3 R19.1 | length 235
  Top Layer w12: Q5.3@1500.1,784.9 ccw(c1476.2,808.8) 1510,808.8 ccw(c1543.8,808.8) Q5.3@1519.9,784.9 ; Q5.3@1510,765 1510,867.09 ; R19.1@1514.55,886.45 cw(c1496.65,880.44) 1510,867.09 ; R19.1@1529.36,871.63 ccw(c1523.35,853.74) 1510,867.09 ; R19.1@1536.85,893.94 1510,867.09
NetQ6_2: Q6.2 R20.1 | length 295.2
  Bottom Layer w10: Q6.2@175,440 R20.1@387.44,440 ; Q6.2@195.61,429.39 cw(c221.21,403.79) 221.21,440 cw(c221.21,476.21) Q6.2@195.61,450.61 ; R20.1@382.62,435.19 ccw(c371,423.56) 371,440 ccw(c370.99,456.45) R20.1@382.62,444.82
NetR6_1: R6.1 U3.5 | length 208.6
  Bottom Layer w6: R6.1@1108,490 1160.2,490 1163.2,493 U3.5@1215.51,493 ; R6.1@1112.77,485.23 cw(c1124.29,473.71) 1124.29,490 cw(c1124.29,506.29) R6.1@1112.77,494.77 ; R6.1@1117.01,480.99 cw(c1138.77,459.23) 1138.77,490 cw(c1138.78,520.78) R6.1@1117.01,499.01 ; U3.5@1200.83,488.16 ccw(c1189.15,476.48) 1189.15,493 ccw(c1189.15,509.52) U3.5@1200.83,497.84
NetR22_2: R22.2 R23.2 U8.9 | length 248.1
  Bottom Layer w6: R23.2@1315,1118.93 1349.84,1118.93 ; R23.2@1334.43,1111.25 cw(c1349.84,1099.62) 1349.84,1118.93 ; R23.2@1334.43,1126.61 ccw(c1349.84,1138.24) 1349.84,1118.93 ; U8.9@1348.07,1225.15 cw(c1343.78,1220.87) 1349.84,1220.87 cw(c1355.91,1220.87) U8.9@1351.62,1225.15 ; U8.9@1349.84,1233.23 1349.84,1118.93 ; R22.2@1359.42,1113.09 ccw(c1349.84,1108.16) 1349.84,1118.93 ; R22.2@1359.42,1124.77 cw(c1349.84,1129.7) 1349.84,1118.93 ; R22.2@1380,1118.93 1349.84,1118.93
NetRusb+_1: Rusb+.1 USB.D+ | length 278.6
  Bottom Layer w6: Rusb+.1@1005,322.44 1009.2,322.44 1089.59,242.05 1102.2,242.05 1120,224.24 ; Rusb+.1@1008.94,313.63 cw(c1008.94,291.73) 1024.42,307.22 ; Rusb+.1@1017.75,322.44 ccw(c1038.4,322.44) 1023.8,307.84 ; 1104.74,239.51 cw(c1079.65,214.43) USB.D+@1115.13,214.43 ; 1114.98,229.26 cw(c1100.14,214.43) USB.D+@1121.13,214.43 ; USB.D+@1117.05,218.31 ccw(c1112.55,224.24) 1120,224.24 ; USB.D+@1120,192.77 1120,224.24 ; USB.D+@1122.95,218.31 cw(c1127.45,224.24) 1120,224.24
NetRusb-_1: Rusb-.1 USB.D- | length 246.7
  Bottom Layer w6: Rusb-.1@1055,322.44 1102.2,322.44 1145.59,279.05 USB.D-@1145.59,192.77 ; Rusb-.1@1065.17,316.21 cw(c1080.21,301.17) 1080.21,322.44 cw(c1080.21,343.71) Rusb-.1@1065.17,328.67 ; USB.D-@1142.14,217.87 ccw(c1133.82,226.19) 1145.59,226.19 ccw(c1157.36,226.19) USB.D-@1149.04,217.87
PA8: P3.10 U5.67 | length 526.4
  Bottom Layer w6: U5.67@798.74,1936.94 798.74,1910.26 805.65,1903.35 961.33,1903.35 990.98,1933 1121.4,1933 1148.4,1960 P3.10@1222.17,1960 ; U5.67@800.07,1915.68 ccw(c816.36,1915.68) 804.84,1904.16 ; P3.10@1184.73,1953.07 ccw(c1168.01,1936.35) 1168.01,1960 ccw(c1168,1983.65) P3.10@1184.73,1966.93
PC7: P3.1 U5.64 | length 1158.7
  Bottom Layer w6: U5.64@739.68,1936.94 739.68,1882.35 760.17,1861.86 771.3,1861.86 790.79,1881.35 970.44,1881.35 1000.09,1911 1124.56,1911 1132.56,1903 1151.31,1903 1157.34,1909.03 1202.64,1909.03 1224.86,1886.81 1426.44,1886.81 1436.2,1896.56 1436.2,2145.49 1421.69,2160 ; P3.1@1367.83,2160 1421.69,2160 ; P3.1@1405.34,2153.14 cw(c1421.69,2137.09) 1421.69,2160 ; P3.1@1405.34,2166.86 ccw(c1421.69,2182.91) 1421.69,2160